# Altium PCB DeutschPCB.PcbDoc (part 1 of 2)
Units mil, origin at the board's own origin, x right, y up, seen from the top; angles counter-clockwise.
Board outline 3250 x 3998.62 mil, 2 copper layers (Top Layer, Bottom Layer), stack 61.8 mil thick; 308 components, 195 nets, 864 pads, 15 vias.
Unrouted connection lines stored in the file: 527.
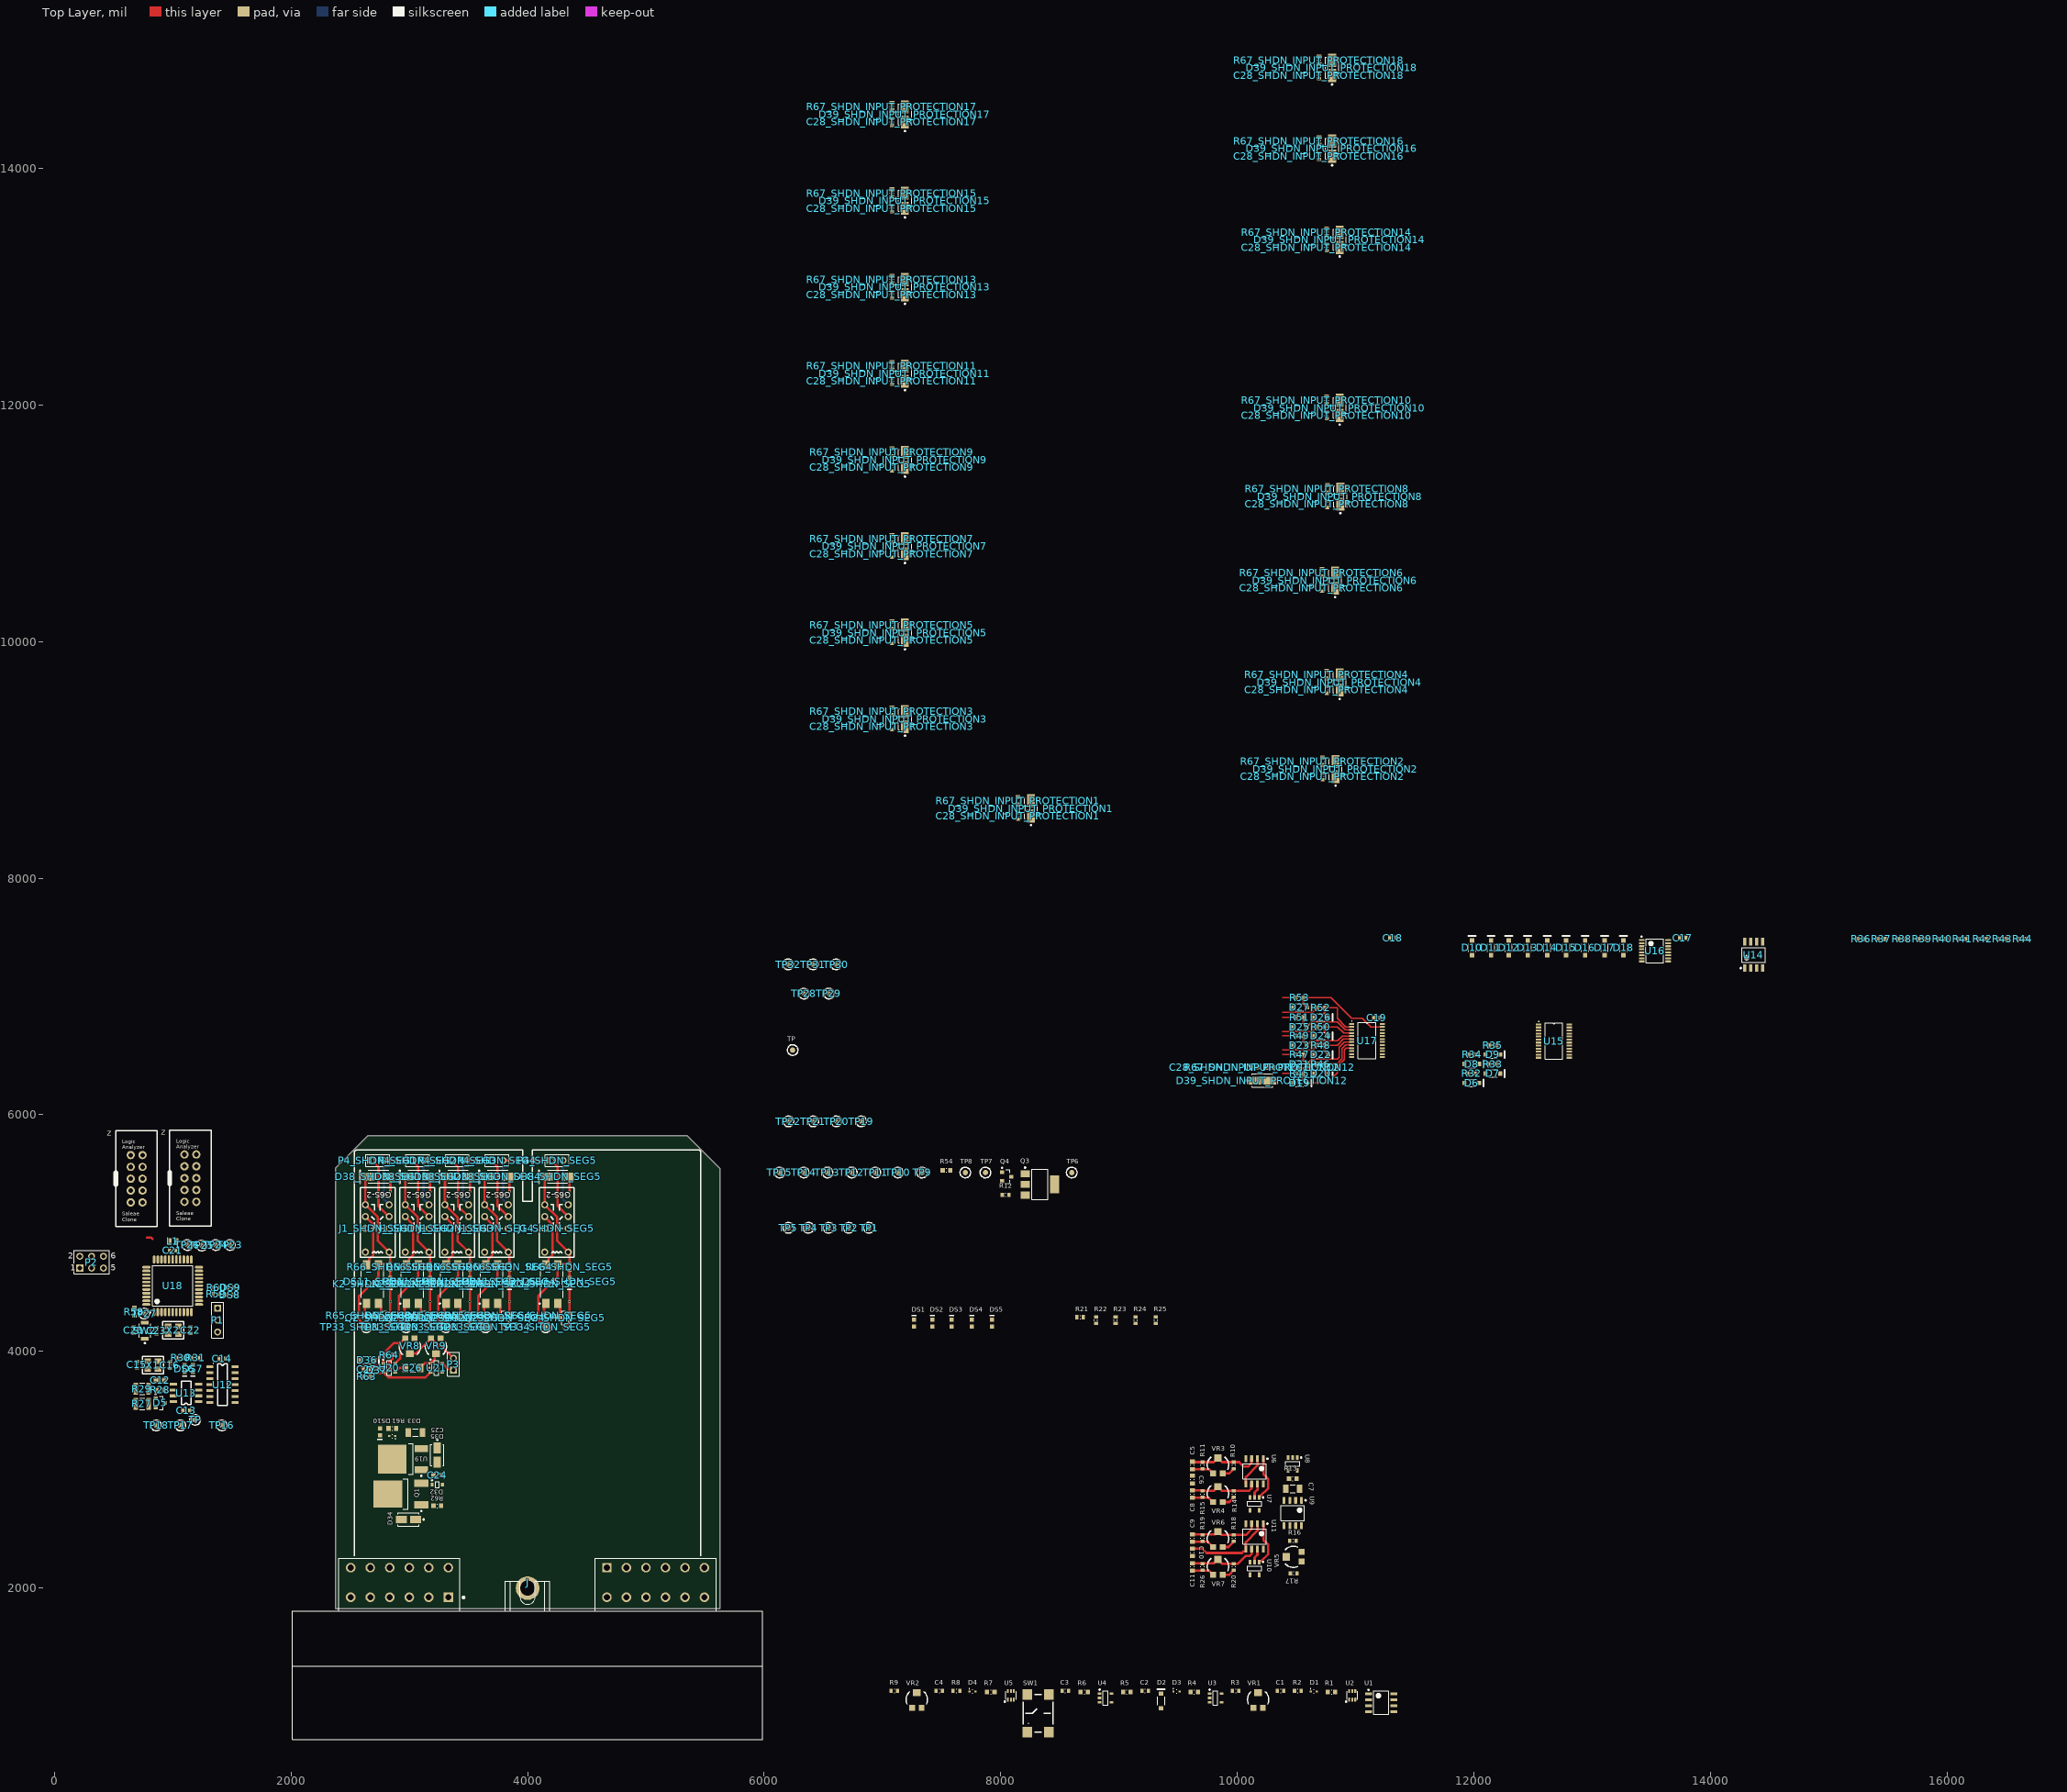
[diagram p0: Top Layer view]
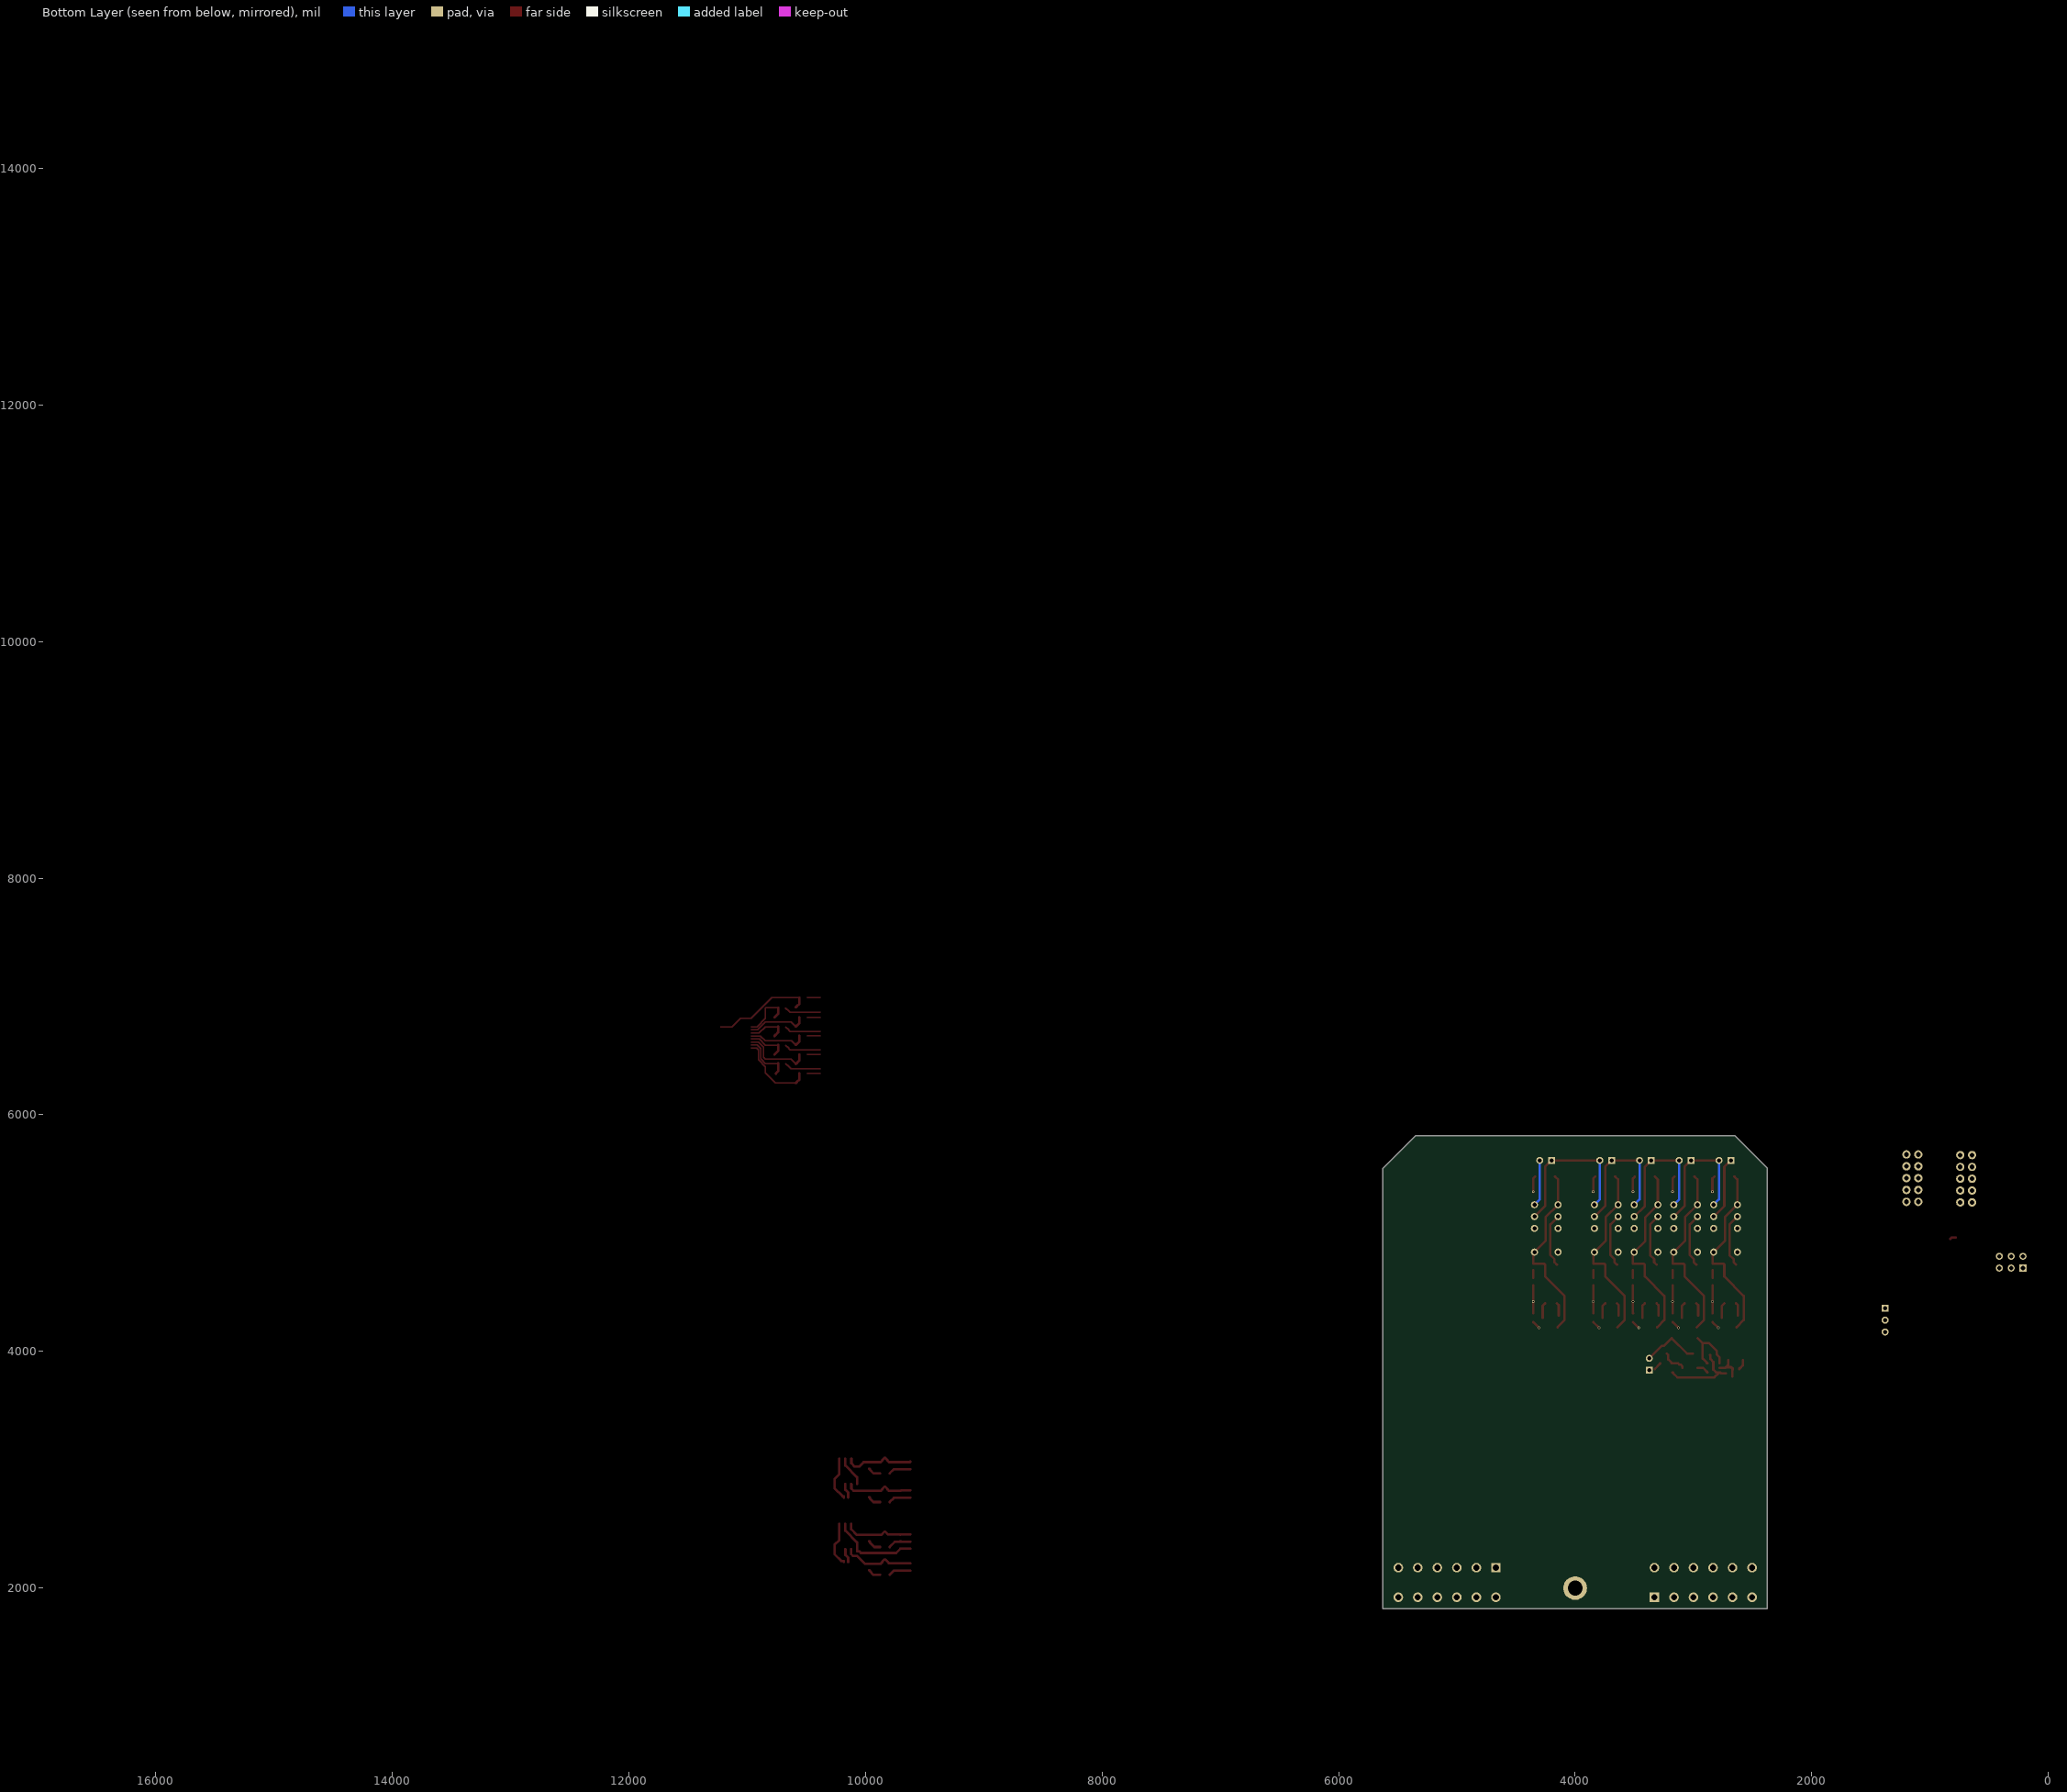
[diagram p1: Bottom Layer view, seen from below]

## Layer stack, top to bottom
Top Solder: solder mask 0.4, Solder Resist, Dk 3.5
Top Layer: signal copper 1.4
Dielectric 1: core 59, Core-043, Dk 4.3
Bottom Layer: signal copper 1.4
Bottom Solder: solder mask 0.4, Solder Resist, Dk 3.5

## Board outline
2375,1826.38 2375,5547.52 2652.48,5825 5347.52,5825 5625,5547.52 5625,1826.38

## Design rules (kind name [scope] priority, off if disabled: settings)
Clearance [All] p1: gap=10 ignorepadtopadclearanceinfootprint=FALSE except(0: Arc-Hole Track-Hole SMDPad-Hole THPad-Hole Via-Hole Fill-Hole Poly-Hole Region-Hole Text-Hole; 6: SMDPad-SMDPad)
PolygonConnect [All] p1: connectstyle=Relief reliefconductorwidth=10 reliefentries=4 polygonreliefangle="90 Angle" airgapwidth=10
RoomDefinition Demux [InComponentClass('Demux')] p1: confinementstyle=ConfineIn formatcopy=TRUE lockcomponents=FALSE outline 10413.82,7670 10375,7670 10375,5971.5 16748.5,5971.5 16748.5,7670
RoomDefinition SHDN_LOOP [InComponentClass('SHDN_LOOP')] p2: confinementstyle=ConfineIn formatcopy=TRUE lockcomponents=FALSE outline 2555.94,3751.65 3434.45,3751.65 3434.45,4141.65 2555.94,4141.65
RoomDefinition PWR [InComponentClass('PWR')] p3: confinementstyle=ConfineIn formatcopy=TRUE lockcomponents=FALSE outline 3301.26,2515 3301.26,3440 2681.26,3440 2681.26,2515
RoomDefinition MCU [InComponentClass('MCU')] p4: confinementstyle=ConfineIn formatcopy=TRUE lockcomponents=FALSE outline 640,4060 1600,4060 1600,4975 640,4975
RoomDefinition Connector [InComponentClass('Connector')] p5: confinementstyle=ConfineIn formatcopy=TRUE lockcomponents=FALSE outline 1825,680 6170,680 6170,2315 1825,2315
RoomDefinition CANBUS [InComponentClass('CANBUS')] p6: confinementstyle=ConfineIn formatcopy=TRUE lockcomponents=FALSE outline 660,3455 1615,3455 1615,3985 660,3985
RoomDefinition SHDN_SEG5 [InComponentClass('SHDN_SEG5')] p7: confinementstyle=ConfineIn formatcopy=TRUE lockcomponents=FALSE outline 4075,4150 4409.37,4150 4409.37,5675 4075,5675
RoomDefinition SHDN_SEG4 [InComponentClass('SHDN_SEG4')] p8: confinementstyle=ConfineIn formatcopy=TRUE lockcomponents=FALSE outline 3567.44,4150 3901.81,4150 3901.81,5675 3567.44,5675
RoomDefinition SHDN_SEG3 [InComponentClass('SHDN_SEG3')] p9: confinementstyle=ConfineIn formatcopy=TRUE lockcomponents=FALSE outline 3231.89,4150 3566.26,4150 3566.26,5675 3231.89,5675
RoomDefinition SHDN_SEG2 [InComponentClass('SHDN_SEG2')] p10: confinementstyle=ConfineIn formatcopy=TRUE lockcomponents=FALSE outline 2896.61,4150 3230.98,4150 3230.98,5675 2896.61,5675
RoomDefinition SHDN_SEG1 [InComponentClass('SHDN_SEG1')] p11: confinementstyle=ConfineIn formatcopy=TRUE lockcomponents=FALSE outline 2560,4150 2894.37,4150 2894.37,5675 2560,5675
RoomDefinition SHDN_INPUT_PROTECTION18 [InComponentClass('SHDN_INPUT_PROTECTION18')] p12: confinementstyle=ConfineIn formatcopy=TRUE lockcomponents=FALSE outline 10655,14693.98 10880,14693.98 10880,14993.98 10655,14993.98
RoomDefinition SHDN_INPUT_PROTECTION17 [InComponentClass('SHDN_INPUT_PROTECTION17')] p13: confinementstyle=ConfineIn formatcopy=TRUE lockcomponents=FALSE outline 7045,14300 7270,14300 7270,14600 7045,14600
RoomDefinition SHDN_INPUT_PROTECTION16 [InComponentClass('SHDN_INPUT_PROTECTION16')] p14: confinementstyle=ConfineIn formatcopy=TRUE lockcomponents=FALSE outline 10655,14011.02 10880,14011.02 10880,14311.02 10655,14311.02
RoomDefinition SHDN_INPUT_PROTECTION15 [InComponentClass('SHDN_INPUT_PROTECTION15')] p15: confinementstyle=ConfineIn formatcopy=TRUE lockcomponents=FALSE outline 7045,13570 7270,13570 7270,13870 7045,13870
RoomDefinition SHDN_INPUT_PROTECTION14 [InComponentClass('SHDN_INPUT_PROTECTION14')] p16: confinementstyle=ConfineIn formatcopy=TRUE lockcomponents=FALSE outline 10720,13240 10945,13240 10945,13540 10720,13540
RoomDefinition SHDN_INPUT_PROTECTION13 [InComponentClass('SHDN_INPUT_PROTECTION13')] p17: confinementstyle=ConfineIn formatcopy=TRUE lockcomponents=FALSE outline 7045,12840 7270,12840 7270,13140 7045,13140
RoomDefinition SHDN_INPUT_PROTECTION12 [InComponentClass('SHDN_INPUT_PROTECTION12')] p18: confinementstyle=ConfineIn formatcopy=TRUE lockcomponents=FALSE outline 10056.02,6435 10056.02,6210 10356.02,6210 10356.02,6435
RoomDefinition SHDN_INPUT_PROTECTION11 [InComponentClass('SHDN_INPUT_PROTECTION11')] p19: confinementstyle=ConfineIn formatcopy=TRUE lockcomponents=FALSE outline 7045,12110 7270,12110 7270,12410 7045,12410
RoomDefinition SHDN_INPUT_PROTECTION10 [InComponentClass('SHDN_INPUT_PROTECTION10')] p20: confinementstyle=ConfineIn formatcopy=TRUE lockcomponents=FALSE outline 10720,11820 10945,11820 10945,12120 10720,12120
RoomDefinition SHDN_INPUT_PROTECTION9 [InComponentClass('SHDN_INPUT_PROTECTION9')] p21: confinementstyle=ConfineIn formatcopy=TRUE lockcomponents=FALSE outline 7045,11380 7270,11380 7270,11680 7045,11680
RoomDefinition SHDN_INPUT_PROTECTION8 [InComponentClass('SHDN_INPUT_PROTECTION8')] p22: confinementstyle=ConfineIn formatcopy=TRUE lockcomponents=FALSE outline 10725,11070 10950,11070 10950,11370 10725,11370
RoomDefinition SHDN_INPUT_PROTECTION7 [InComponentClass('SHDN_INPUT_PROTECTION7')] p23: confinementstyle=ConfineIn formatcopy=TRUE lockcomponents=FALSE outline 7045,10650 7270,10650 7270,10950 7045,10950
RoomDefinition SHDN_INPUT_PROTECTION6 [InComponentClass('SHDN_INPUT_PROTECTION6')] p24: confinementstyle=ConfineIn formatcopy=TRUE lockcomponents=FALSE outline 10680,10361.02 10905,10361.02 10905,10661.02 10680,10661.02
RoomDefinition SHDN_INPUT_PROTECTION5 [InComponentClass('SHDN_INPUT_PROTECTION5')] p25: confinementstyle=ConfineIn formatcopy=TRUE lockcomponents=FALSE outline 7045,9920 7270,9920 7270,10220 7045,10220
RoomDefinition SHDN_INPUT_PROTECTION4 [InComponentClass('SHDN_INPUT_PROTECTION4')] p26: confinementstyle=ConfineIn formatcopy=TRUE lockcomponents=FALSE outline 10720,9500 10945,9500 10945,9800 10720,9800
RoomDefinition SHDN_INPUT_PROTECTION3 [InComponentClass('SHDN_INPUT_PROTECTION3')] p27: confinementstyle=ConfineIn formatcopy=TRUE lockcomponents=FALSE outline 7045,9190 7270,9190 7270,9490 7045,9490
RoomDefinition SHDN_INPUT_PROTECTION2 [InComponentClass('SHDN_INPUT_PROTECTION2')] p28: confinementstyle=ConfineIn formatcopy=TRUE lockcomponents=FALSE outline 10685,8767.56 10910,8767.56 10910,9067.56 10685,9067.56
RoomDefinition SHDN_INPUT_PROTECTION1 [InComponentClass('SHDN_INPUT_PROTECTION1')] p29: confinementstyle=ConfineIn formatcopy=TRUE lockcomponents=FALSE outline 8110,8435 8335,8435 8335,8735 8110,8735
RoomDefinition BSPD_System [InComponentClass('BSPD_System')] p30: confinementstyle=ConfineIn formatcopy=TRUE lockcomponents=FALSE outline 7230,1957.28 14785,1957.28 14785,4389.84 7230,4389.84
RoomDefinition BSPD_Simulation [InComponentClass('BSPD_Simulation')] p31: confinementstyle=ConfineIn formatcopy=TRUE lockcomponents=FALSE outline 7045,727.01 11370,727.01 11370,1232.01 7045,1232.01
RoutingVias [All] p1: holewidth=13.78 width=21.65 viastyle="Through Hole" minholewidth=13.78 minwidth=21.65 maxholewidth=13.78 maxwidth=21.65
SolderMaskExpansion [All] p1: expansion=4
Width [All] p1: maxlimit=40 minlimit=10 preferedwidth=20 minimp=50.000000 maximp=50.000000 favimp=50.000000
30 further rules are at their usual default settings.

## Classes and differential pairs
component class PWR: C24 C25 D32 D33 D34 D35 DS10 Q1 R61 R62 TP28 TP29 U19
component class MCU: C20 C21 C22 C23 DS8 DS9 L1 P1 P2 R58 R59 R60 SW2 TP23 TP24 TP25 TP26 TP27 U18 X2 Z
component class Demux: C17 C18 C19 D6 D7 D8 D9 D10 D11 D12 D13 D14 D15 D16 D17 D18 D19 D20 D21 D22 D23 D24 D25 D26 D27 R32 R33 R34 R35 R36 R37 R38 R39 R40 R41 R42 R43 R44 R45 R46 R47 R48 R49 R50 R51 R52 R53 TP19 TP20 TP21 TP22 U14 U15 U16 U17
component class Connector: J
component class CANBUS: C12 C13 C14 C15 C16 D5 DS6 DS7 R27 R28 R29 R30 R31 TP TP16 TP17 TP18 U12 U13 X1
channel class ShutdownSegement: SHDN_SEG1 SHDN_SEG2 SHDN_SEG3 SHDN_SEG4 SHDN_SEG5
channel class 12VInputProtection: SHDN_INPUT_PROTECTION1 SHDN_INPUT_PROTECTION2 SHDN_INPUT_PROTECTION3 SHDN_INPUT_PROTECTION4 SHDN_INPUT_PROTECTION5 SHDN_INPUT_PROTECTION6 SHDN_INPUT_PROTECTION7 SHDN_INPUT_PROTECTION8 SHDN_INPUT_PROTECTION9 SHDN_INPUT_PROTECTION10 SHDN_INPUT_PROTECTION11 SHDN_INPUT_PROTECTION12 SHDN_INPUT_PROTECTION13 SHDN_INPUT_PROTECTION14 SHDN_INPUT_PROTECTION15 SHDN_INPUT_PROTECTION16 SHDN_INPUT_PROTECTION17 SHDN_INPUT_PROTECTION18
net class STATE_TRIGGER[1..5]: STATE_TRIGGER5
net class STATE_SENSE[1..5]: STATE_SENSE1 STATE_SENSE2 STATE_SENSE3 STATE_SENSE4 STATE_SENSE5
net class SIGNAL_IN[1..18]: SIGNAL_IN1 SIGNAL_IN2 SIGNAL_IN3 SIGNAL_IN4 SIGNAL_IN5 SIGNAL_IN6 SIGNAL_IN7 SIGNAL_IN8 SIGNAL_IN9 SIGNAL_IN10 SIGNAL_IN11 SIGNAL_IN12 SIGNAL_IN13 SIGNAL_IN14 SIGNAL_IN15 SIGNAL_IN16 SIGNAL_IN17 SIGNAL_IN18
net class SHDN_OUT[1..5]: SHDN_OUT5
net class SHDN_IN[1..5]: SHDN_IN1 SHDN_IN2 SHDN_IN3 SHDN_IN4 SHDN_IN5
component class SHDN_SEG5: D38_SHDN_SEG5 DS11_SHDN_SEG5 J1_SHDN_SEG5 K2_SHDN_SEG5 P4_SHDN_SEG5 Q2_SHDN_SEG5 R65_SHDN_SEG5 R66_SHDN_SEG5 TP33_SHDN_SEG5
component class SHDN_SEG4: D38_SHDN_SEG4 DS11_SHDN_SEG4 J1_SHDN_SEG4 K2_SHDN_SEG4 P4_SHDN_SEG4 Q2_SHDN_SEG4 R65_SHDN_SEG4 R66_SHDN_SEG4 TP33_SHDN_SEG4
component class SHDN_SEG3: D38_SHDN_SEG3 DS11_SHDN_SEG3 J1_SHDN_SEG3 K2_SHDN_SEG3 P4_SHDN_SEG3 Q2_SHDN_SEG3 R65_SHDN_SEG3 R66_SHDN_SEG3 TP33_SHDN_SEG3
component class SHDN_SEG2: D38_SHDN_SEG2 DS11_SHDN_SEG2 J1_SHDN_SEG2 K2_SHDN_SEG2 P4_SHDN_SEG2 Q2_SHDN_SEG2 R65_SHDN_SEG2 R66_SHDN_SEG2 TP33_SHDN_SEG2
component class SHDN_SEG1: D38_SHDN_SEG1 DS11_SHDN_SEG1 J1_SHDN_SEG1 K2_SHDN_SEG1 P4_SHDN_SEG1 Q2_SHDN_SEG1 R65_SHDN_SEG1 R66_SHDN_SEG1 TP33_SHDN_SEG1
component class SHDN_INPUT_PROTECTION18: C28_SHDN_INPUT_PROTECTION18 D39_SHDN_INPUT_PROTECTION18 R67_SHDN_INPUT_PROTECTION18
component class SHDN_INPUT_PROTECTION17: C28_SHDN_INPUT_PROTECTION17 D39_SHDN_INPUT_PROTECTION17 R67_SHDN_INPUT_PROTECTION17
component class SHDN_INPUT_PROTECTION16: C28_SHDN_INPUT_PROTECTION16 D39_SHDN_INPUT_PROTECTION16 R67_SHDN_INPUT_PROTECTION16
component class SHDN_INPUT_PROTECTION15: C28_SHDN_INPUT_PROTECTION15 D39_SHDN_INPUT_PROTECTION15 R67_SHDN_INPUT_PROTECTION15
component class SHDN_INPUT_PROTECTION14: C28_SHDN_INPUT_PROTECTION14 D39_SHDN_INPUT_PROTECTION14 R67_SHDN_INPUT_PROTECTION14
component class SHDN_INPUT_PROTECTION13: C28_SHDN_INPUT_PROTECTION13 D39_SHDN_INPUT_PROTECTION13 R67_SHDN_INPUT_PROTECTION13
component class SHDN_INPUT_PROTECTION12: C28_SHDN_INPUT_PROTECTION12 D39_SHDN_INPUT_PROTECTION12 R67_SHDN_INPUT_PROTECTION12
component class SHDN_INPUT_PROTECTION11: C28_SHDN_INPUT_PROTECTION11 D39_SHDN_INPUT_PROTECTION11 R67_SHDN_INPUT_PROTECTION11
component class SHDN_INPUT_PROTECTION10: C28_SHDN_INPUT_PROTECTION10 D39_SHDN_INPUT_PROTECTION10 R67_SHDN_INPUT_PROTECTION10
component class SHDN_INPUT_PROTECTION9: C28_SHDN_INPUT_PROTECTION9 D39_SHDN_INPUT_PROTECTION9 R67_SHDN_INPUT_PROTECTION9
component class SHDN_INPUT_PROTECTION8: C28_SHDN_INPUT_PROTECTION8 D39_SHDN_INPUT_PROTECTION8 R67_SHDN_INPUT_PROTECTION8
component class SHDN_INPUT_PROTECTION7: C28_SHDN_INPUT_PROTECTION7 D39_SHDN_INPUT_PROTECTION7 R67_SHDN_INPUT_PROTECTION7
component class SHDN_INPUT_PROTECTION6: C28_SHDN_INPUT_PROTECTION6 D39_SHDN_INPUT_PROTECTION6 R67_SHDN_INPUT_PROTECTION6
component class SHDN_INPUT_PROTECTION5: C28_SHDN_INPUT_PROTECTION5 D39_SHDN_INPUT_PROTECTION5 R67_SHDN_INPUT_PROTECTION5
component class SHDN_INPUT_PROTECTION4: C28_SHDN_INPUT_PROTECTION4 D39_SHDN_INPUT_PROTECTION4 R67_SHDN_INPUT_PROTECTION4
component class SHDN_INPUT_PROTECTION3: C28_SHDN_INPUT_PROTECTION3 D39_SHDN_INPUT_PROTECTION3 R67_SHDN_INPUT_PROTECTION3
component class SHDN_INPUT_PROTECTION2: C28_SHDN_INPUT_PROTECTION2 D39_SHDN_INPUT_PROTECTION2 R67_SHDN_INPUT_PROTECTION2
component class SHDN_INPUT_PROTECTION1: C28_SHDN_INPUT_PROTECTION1 D39_SHDN_INPUT_PROTECTION1 R67_SHDN_INPUT_PROTECTION1
component class SHDN_LOOP: C26 C27 D36 D37 P3 R63 R64 TP30 TP31 TP32 U20 U21 VR8 VR9
component class BSPD_System: C5 C6 C7 C8 C9 C10 C11 DS1 DS2 DS3 DS4 DS5 Q3 Q4 R10 R11 R12 R13 R14 R15 R16 R17 R18 R19 R20 R21 R22 R23 R24 R25 R26 R54 TP TP6 TP7 TP8 TP9 TP10 TP11 TP12 TP13 TP14 TP15 U6 U7 U8 U9 U10 U11 VR3 VR4 VR5 VR6 VR7
component class BSPD_Simulation: C1 C2 C3 C4 D1 D2 D3 D4 R1 R2 R3 R4 R5 R6 R7 R8 R9 SW1 TP1 TP2 TP3 TP4 TP5 U1 U2 U3 U4 U5 VR1 VR2

## Components (designator, comment, footprint, x,y, rotation, side; value= is the part's Value field where it differs from the comment)
C1 "CAP 100nF 50V 0603(1608)" CAPC0603(1608)100_L 10365,1132.01 r0 top value=100nF
C2 "CAP 100nF 50V" CAPC0603(1608)100_L 9220,1132.01 r0 top value=100nF
C3 "CAP 100nF 50V 0603(1608)" CAPC0603(1608)100_L 8545,1132.01 r0 top value=100nF
C4 "CAP 100nF 50V 0603(1608)" CAPC0603(1608)100_L 7480,1132.01 r0 top value=100nF
C5 "CAP 100nF 50V 0603(1608)" CAPC0603(1608)100_N 9620,3037.28 r270 top value=100nF
C6 "CAP 100nF 50V 0603(1608)" CAPC0603(1608)100_N 9620,2917.28 r270 top value=100nF
C7 "CAP 10uF 50V 1206(3216)" CAPC1206(3216)190_N 10467.28,2840 r0 top value=10uF
C8 "CAP 100nF 50V 0603(1608)" CAPC0603(1608)100_N 9620,2794.78 r270 top value=100nF
C9 "CAP 100nF 50V 0603(1608)" CAPC0603(1608)100_N 9620,2422.28 r270 top value=100nF
C10 "CAP 100nF 50V 0603(1608)" CAPC0603(1608)100_N 9620,2302.28 r270 top value=100nF
C11 "CAP 100nF 50V 0603(1608)" CAPC0603(1608)100_N 9620,2179.78 r270 top value=100nF
C12 "CAP 4.7nF 50V 0603(1608)" CAPC0603(1608)100_M 895,3755 r180 top value=4.7nF
C13 "CAP 100nF 50V 0603(1608)" CAPC0603(1608)100_L 1115,3500 r0 top value=100nF
C14 "CAP 100nF 50V 0603(1608)" CAPC0603(1608)100_L 1420,3940 r0 top value=100nF
C15 "CAP 18pF 50V 0603(1608)" CAPC0603(1608)100_L 697.52,3890 r270 top value=18pF
C16 "CAP 18pF 50V 0603(1608)" CAPC0603(1608)100_L 977.95,3885 r90 top value=18pF
C17 "CAP 100nF 50V 0603(1608)" CAPC0603(1608)100_L 13763.66,7496.5 r0 top value=100nF
C18 "CAP 100nF 50V 0603(1608)" CAPC0603(1608)100_L 11313.66,7496.5 r0 top value=100nF
C19 "CAP 100nF 50V 0603(1608)" CAPC0603(1608)100_L 11180.16,6819.13 r180 top value=100nF
C20 "CAP 100nF 50V 0603(1608)" CAPC0603(1608)100_L 670,4180 r270 top value=100nF
C21 "CAP 100nF 50V 0603(1608)" CAPC0603(1608)100_L 1000,4855 r180 top value=100nF
C22 "CAP 18pF 50V 0603(1608)" CAPC0603(1608)100_L 1150.43,4180 r90 top value=18pF
C23 "CAP 18pF 50V 0603(1608)" CAPC0603(1608)100_L 865,4175 r270 top value=18pF
C24 "CAP 100nF 50V 0603(1608)" CAPC0603(1608)100_N 3236.26,2955 r180 top value=100nF
C25 "CAP 10uF 50V 1206(3216)" CAPC1206(3216)190_N 3051.26,3315 r0 top value=10uF
C26 "CAP 10uF 50V 1206(3216)" CAPC1206(3216)190_M 3029.45,3861.65 r180 top value=10uF
C27 "CAP 100nF 50V" CAPC0603(1608)100_L 2639.45,3851.65 r180 top value=100nF
C28_SHDN_INPUT_PROTECTION1 "CAP 100nF 50V 0603(1608)" CAPC0603(1608)100_L 8145,8526.02 r270 top value=100nF (schematic designator C28)
C28_SHDN_INPUT_PROTECTION2 "CAP 100nF 50V 0603(1608)" CAPC0603(1608)100_L 10720,8858.58 r270 top value=100nF (schematic designator C28)
C28_SHDN_INPUT_PROTECTION3 "CAP 100nF 50V 0603(1608)" CAPC0603(1608)100_L 7080,9281.02 r270 top value=100nF (schematic designator C28)
C28_SHDN_INPUT_PROTECTION4 "CAP 100nF 50V 0603(1608)" CAPC0603(1608)100_L 10755,9591.02 r270 top value=100nF (schematic designator C28)
C28_SHDN_INPUT_PROTECTION5 "CAP 100nF 50V 0603(1608)" CAPC0603(1608)100_L 7080,10011.02 r270 top value=100nF (schematic designator C28)
C28_SHDN_INPUT_PROTECTION6 "CAP 100nF 50V 0603(1608)" CAPC0603(1608)100_L 10715,10452.05 r270 top value=100nF (schematic designator C28)
C28_SHDN_INPUT_PROTECTION7 "CAP 100nF 50V 0603(1608)" CAPC0603(1608)100_L 7080,10741.02 r270 top value=100nF (schematic designator C28)
C28_SHDN_INPUT_PROTECTION8 "CAP 100nF 50V 0603(1608)" CAPC0603(1608)100_L 10760,11161.02 r270 top value=100nF (schematic designator C28)
C28_SHDN_INPUT_PROTECTION9 "CAP 100nF 50V 0603(1608)" CAPC0603(1608)100_L 7080,11471.02 r270 top value=100nF (schematic designator C28)
C28_SHDN_INPUT_PROTECTION10 "CAP 100nF 50V 0603(1608)" CAPC0603(1608)100_L 10755,11911.02 r270 top value=100nF (schematic designator C28)
C28_SHDN_INPUT_PROTECTION11 "CAP 100nF 50V 0603(1608)" CAPC0603(1608)100_L 7080,12201.02 r270 top value=100nF (schematic designator C28)
C28_SHDN_INPUT_PROTECTION12 "CAP 100nF 50V 0603(1608)" CAPC0603(1608)100_L 10147.05,6400 r180 top value=100nF (schematic designator C28)
C28_SHDN_INPUT_PROTECTION13 "CAP 100nF 50V 0603(1608)" CAPC0603(1608)100_L 7080,12931.02 r270 top value=100nF (schematic designator C28)
C28_SHDN_INPUT_PROTECTION14 "CAP 100nF 50V 0603(1608)" CAPC0603(1608)100_L 10755,13331.02 r270 top value=100nF (schematic designator C28)